# Altium PCB PCB main.PcbDoc (part 2 of 2)
Units mm, origin at the board's own origin, x right, y up, seen from the top; angles counter-clockwise.
Board outline 160 x 160 mm, 2 copper layers (Top Layer, Bottom Layer); 108 components, 108 nets, 489 pads, 66 vias.
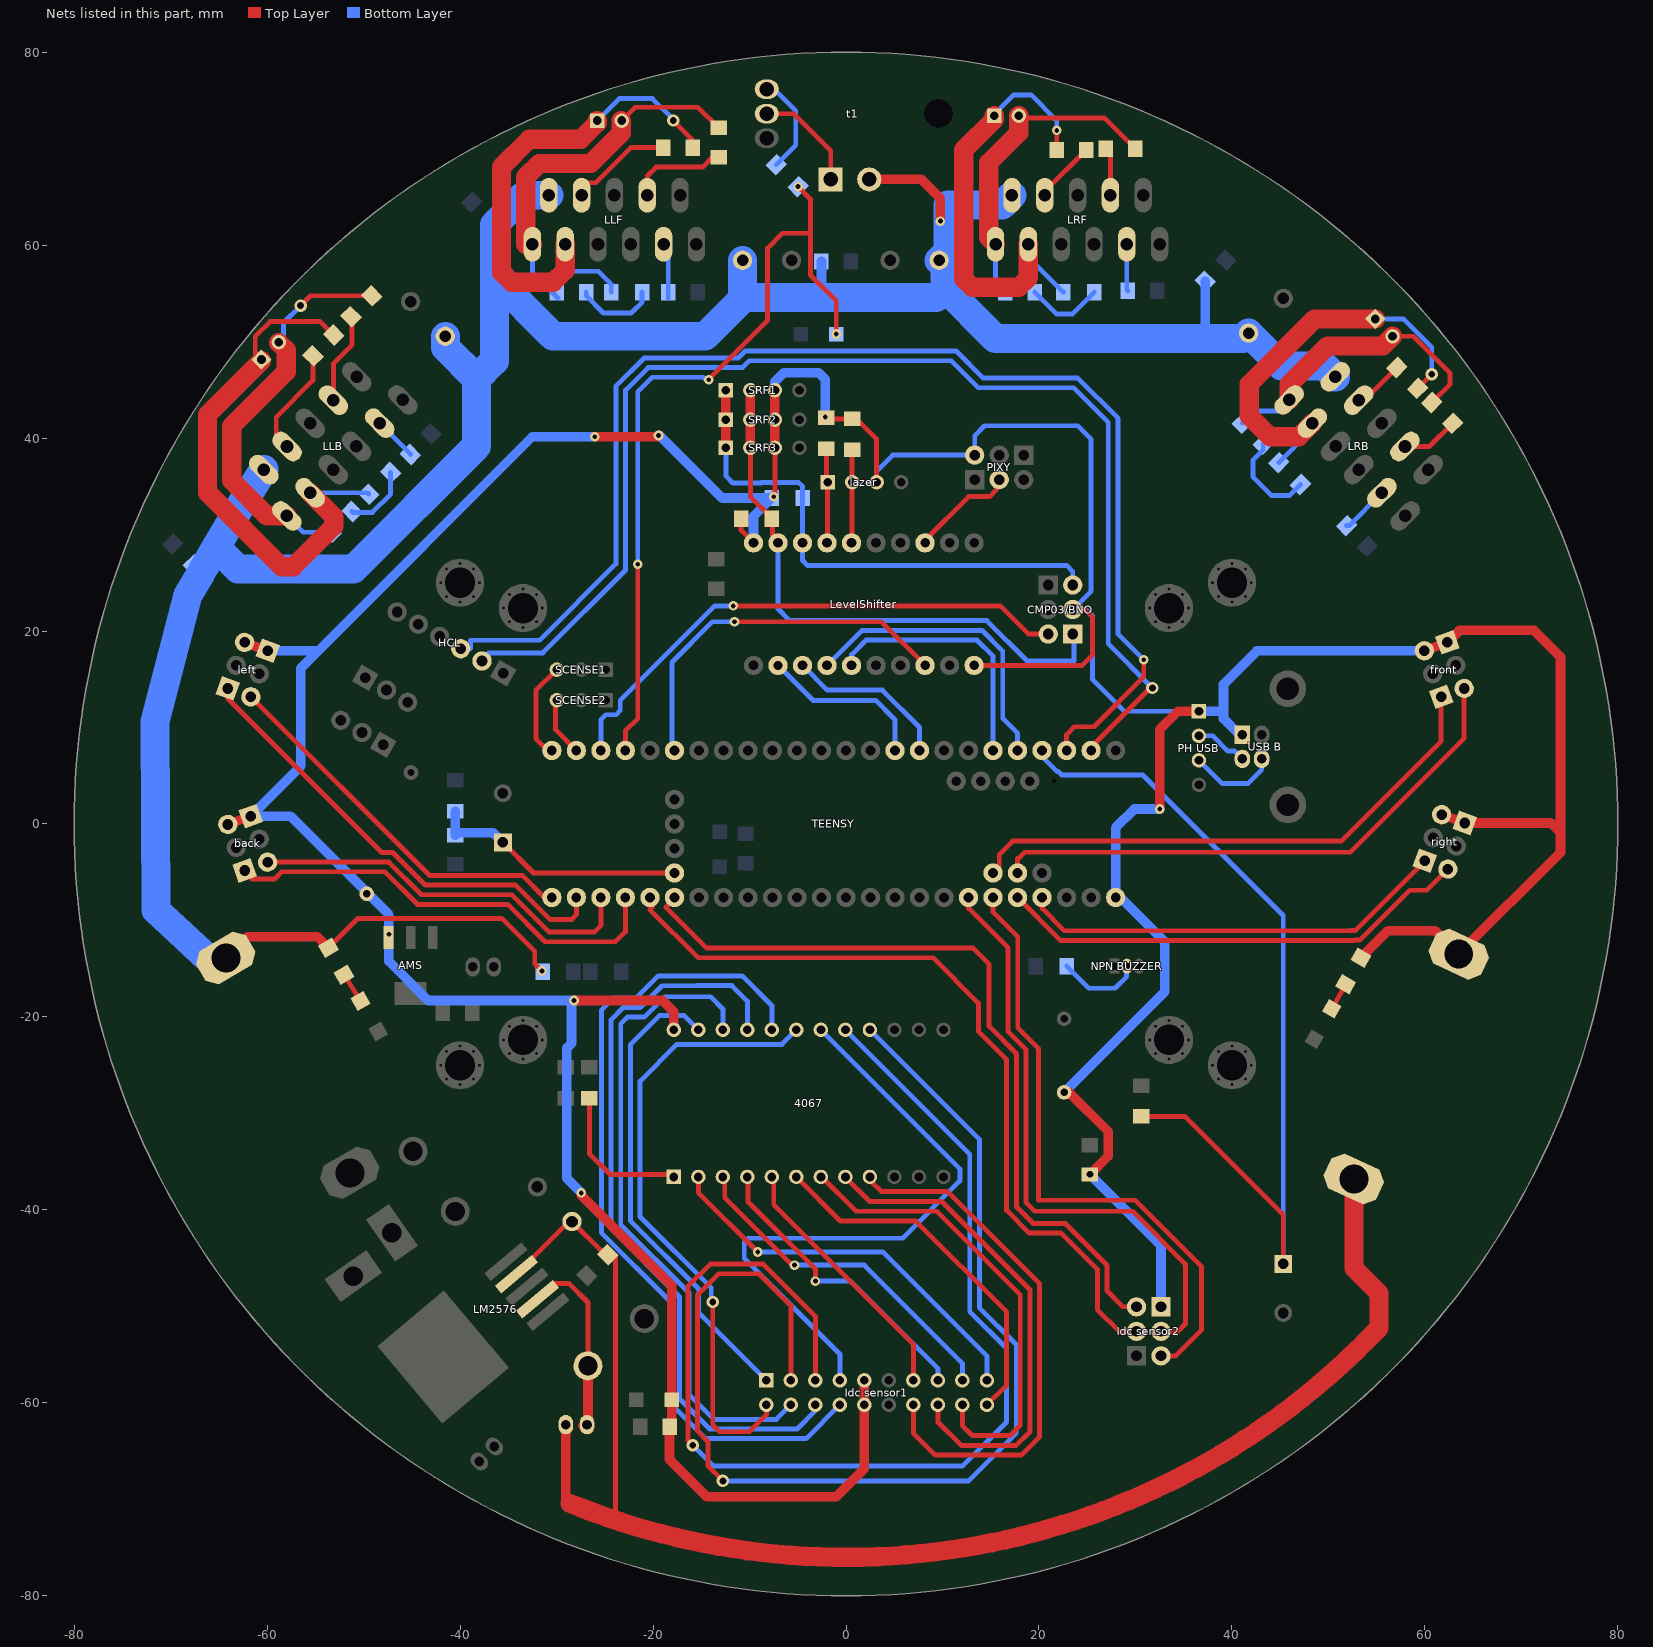
[diagram p2: the nets of this part, all layers, seen from the top]

## Via types
v1: diameter 1, hole 0.5, Top Layer to Bottom Layer, 55 vias
v2: diameter 1.27, hole 0.711, Top Layer to Bottom Layer, 11 vias

## Nets (pads, with @x,y where several pads share a name; then routed paths per layer and width w, separated by ;. In a path a pad name is that pad's centre, name@x,y a point inside that pad or via, vN(x,y) a via of type N, cw(c..) or ccw(c..) an arc to the next point about the centre after c; other vN are vias at no path point) (continued)
Netcap2_2: cap2.2 LLB.9 | length 4.6
  Bottom Layer w0.5: LLB.9@-48.328,41.541 -45.147,38.36 cap2.2@-45.147,38.292
  Bottom Layer w1: LLB.9@-48.328,41.473 LLB.9@-48.328,41.541
Netcap3_2: cap3.2 LLF.9 | length 5.8
  Bottom Layer w0.5: LLF.9@-18.9,60.079 -18.415,59.594 cap3.2@-18.415,54.465
Netcap4_2: cap4.2 LRF.9 | length 4.9
  Bottom Layer w0.5: LRF.9@29.1,60.079 29.1,55.358 cap4.2@29.213,55.245
Netcap5_2: cap5.2 LRB.9 | length 5.1
  Bottom Layer w0.5: cap5.2@51.881,30.923 52.136,30.923 LRB.9@55.541,34.328
Netcap15_1: cap15.1 LLB.4 | length 11.4
  Top Layer w0.5: LLB.4@-57.931,39.122 -59.055,40.247 -59.055,42.164 -55.243,45.976 cap15.1@-55.243,48.516
Netcap15_2: cap15.2 LLB.3 PLB.1 RES5.2 | length 57.1
  Top Layer w0.5: PLB.1@-60.579,48.006 -61.214,48.641 -61.214,50.546 -59.69,52.07 -54.483,52.07 cap15.2@-53.086,50.673
  Top Layer w2: PLB.1@-60.579,48.006 -66.167,42.418 -66.167,34.343 -58.494,26.67 -57.277,26.67 -53.086,30.861 -53.086,31.874 LLB.3@-55.541,34.328
  Bottom Layer w0.5: LLB.3@-55.387,34.175 LLB.3@-55.541,34.328 -49.613,34.328 RES5.2@-49.46,34.175 RES5.2@-49.46,34.266
Netcap16_1: cap16.1 LLB.8 | length 9.5
  Top Layer w0.5: LLB.8@-53.122,43.931 -53.122,47.716 -51.205,49.633 -51.205,52.479 cap16.1@-51.306,52.58
Netcap16_2: cap16.2 cap25.1 LLB.1 PLB.2 | length 42
  Top Layer w0.5: v2(-56.515,53.721) -55.499,54.737 cap16.2@-49.149,54.737
  Top Layer w2: PLB.2@-58.783,49.872 -58.018,49.108 -58.018,46.884 -63.667,41.235 -63.667,35.6 -59.991,31.924 LLB.1@-57.945,31.924
  Bottom Layer w0.5: PLB.2@-58.783,49.929 -58.293,50.419 -58.293,51.943 v2(-56.515,53.721) ; LLB.1@-57.945,31.924 -56.249,30.228 cap25.1@-53.338,30.228
Netcap17_1: cap17.1 LLF.4 | length 11.1
  Top Layer w0.5: LLF.4@-27.4,65.159 -27.051,65.508 -27.051,66.449 -25.943,66.449 -22.288,70.104 cap17.1@-18.925,70.104
Netcap17_2: cap17.2 LLF.3 PLF.1 RES6.2 | length 55.4
  Top Layer w0.5: v2(-17.907,72.898) -15.875,70.866 cap17.2@-15.875,70.104
  Top Layer w2: LLF.3@-29.1,60.079 -29.1,57.387 -30.353,56.134 -34.639,56.134 -35.7,57.195 -35.7,68.089 -32.83,70.959 -27.498,70.959 -25.781,72.676 PLF.1@-25.781,72.898
  Bottom Layer w0.5: LLF.3@-29.1,60.079 -29.1,57.675 -28.702,57.277 -25.654,57.277 -24.333,55.956 RES6.2@-24.333,55.118 ; PLF.1@-25.781,72.898 -23.495,75.184 -20.066,75.184 -17.907,73.025 v2(-17.907,72.898)
Netcap18_1: cap18.1 LLF.8 | length 10.2
  Top Layer w0.5: LLF.8@-20.6,65.159 -20.6,67.157 -19.685,68.072 -14.859,68.072 -13.843,69.088 cap18.1@-13.208,69.088
Netcap18_2: cap18.2 cap26.1 LLF.1 PLF.2 | length 39
  Top Layer w0.5: PLF.2@-23.281,72.898 PLF.2@-23.241,72.898 -21.856,74.283 -15.353,74.283 cap18.2@-13.208,72.138
  Top Layer w2: LLF.1@-32.5,60.079 -33.2,60.079 -33.2,67.053 -31.794,68.459 -26.462,68.459 -23.281,71.64 PLF.2@-23.281,72.898
  Bottom Layer w0.5: LLF.1@-32.5,60.079 -32.5,57.137 cap26.1@-29.846,54.483
Netcap19_1: cap19.1 LRF.4 | length 6.5
  Top Layer w0.5: LRF.4@20.6,65.159 20.6,65.558 cap19.1@24.892,69.85
Netcap19_2: cap19.2 LRF.3 PRF.1 RES7.2 | length 47.5
  Top Layer w0.5: cap19.2@21.842,69.85 21.526,70.166 21.842,70.481 v1(21.842,71.882)
  Top Layer w2: PRF.1@15.367,73.406 15.367,73.025 12.192,69.85 12.192,56.521 13.087,55.626 17.907,55.626 18.9,56.619 LRF.3@18.9,60.079
  Bottom Layer w0.5: PRF.1@15.367,73.406 15.367,73.533 17.399,75.565 19.177,75.565 21.842,72.9 v1(21.842,71.882) ; LRF.3@18.9,60.079 18.9,58.748 RES7.2@22.53,55.118
Netcap20_1: cap20.1 LRF.8 | length 5
  Top Layer w0.5: cap20.1@26.923,69.977 27.4,69.5 LRF.8@27.4,65.159
Netcap20_2: cap20.2 cap27.1 LRF.1 PRF.2 | length 33.8
  Top Layer w0.5: PRF.2@17.907,73.406 18.161,73.152 26.798,73.152 cap20.2@29.973,69.977
  Top Layer w2: LRF.1@15.5,60.079 14.8,60.779 14.8,68.521 17.907,71.628 PRF.2@17.907,73.406
  Bottom Layer w0.5: LRF.1@15.5,60.079 15.5,56.126 cap27.1@16.508,55.118
Netcap21_1: cap21.1 LRB.4 | length 5.4
  Top Layer w0.5: LRB.4@53.122,43.931 53.712,43.931 cap21.1@57.088,47.306
Netcap21_2: cap21.2 LRB.3 PRB.1 RES8.2 | length 43.7
  Top Layer w0.5: 59.88,45.783 v2(60.706,46.609)
  Top Layer w2: LRB.3@48.328,41.541 46.919,40.132 43.938,40.132 41.783,42.287 41.783,45.573 48.552,52.342 PRB.1@54.846,52.342
  Bottom Layer w0.5: RES8.2@44.843,37.453 48.328,40.939 LRB.3@48.328,41.541 ; PRB.1@54.846,52.342 57.767,52.342 60.706,49.403 v2(60.706,46.609)
Netcap22_1: cap22.1 LRB.8 | length 5.9
  Top Layer w0.5: LRB.8@57.931,39.122 60.461,39.122 cap22.1@62.865,41.527
Netcap22_2: cap22.2 cap28.1 LRB.1 PRB.2 | length 31.6
  Top Layer w0.5: PRB.2@56.642,50.546 58.784,50.546 62.611,46.719 62.611,45.586 cap22.2@60.708,43.683
  Top Layer w2: LRB.1@45.924,43.945 45.924,45.543 49.911,49.53 55.626,49.53 PRB.2@56.642,50.546
  Bottom Layer w0.5: cap28.1@41.086,41.527 42.358,42.799 44.778,42.799 LRB.1@45.924,43.945
Netcap23_1: "Key VCC.1" "Self reg.2" cap23.1 cap24.2 LM2576.4 | length 161.9
  Top Layer w0.5: LM2576.4@-34.155,-46.651 -28.78,-41.275 cap23.1@-28.394,-41.275 ; -29.04,-62.249 -28.575,-62.714 -28.514,-62.714 ; cap23.1@-28.394,-41.202 -25.076,-44.52 cap24.2@-24.695,-44.52 ; -25.315,-72.322 -24.824,-71.832 ; cap24.2@-24.695,-44.921 -24.395,-45.221 -23.876,-44.701 -23.876,-72.009
  Top Layer w1: -29.04,-70.485 -29.04,-62.249 ; 54.102,-54.091 55.372,-52.821
  Top Layer w2: -28.601,-70.413 ccw(c0,0) -24.824,-71.832 ccw(c0,0) 54.102,-53.376 ; 52.639,-36.785 52.639,-46.035 55.245,-48.641 55.245,-52.233 54.102,-53.376 ; 54.985,-52.465 cw(c0,0) 54.102,-53.376
Netcap25_2: cap25.2 RES5.1 | length 7.1
  Bottom Layer w0.5: cap25.2@-51.181,32.385 -51.089,32.293 -49.078,32.293 -47.197,34.175 RES5.1@-47.197,36.437
Netcap26_2: cap26.2 RES6.1 | length 8.4
  Bottom Layer w0.5: cap26.2@-26.924,55.118 -26.924,54.737 -25.146,52.959 -22.261,52.959 -21.133,54.087 RES6.1@-21.133,55.118
Netcap27_2: cap27.2 RES7.1 | length 8.1
  Bottom Layer w0.5: cap27.2@19.558,55.118 21.826,52.85 23.462,52.85 RES7.1@25.73,55.118
Netcap28_2: cap28.2 RES8.1 | length 10.1
  Bottom Layer w0.5: cap28.2@43.242,39.37 43.242,38.797 42.164,37.719 42.164,35.979 44.107,34.036 45.951,34.036 RES8.1@47.105,35.191
NetDiode1_2: "Diode2 reg.2" "Self reg.1" LM2576.2 | length 19.7
  Top Layer w0.5: LM2576.2@-31.97,-49.255 -30.34,-47.625 -28.702,-47.625 -26.739,-49.588 -26.739,-56.157
  Top Layer w1: -27.264,-62.357 -26.739,-61.832 -26.739,-56.157
"NetLED VCC_1": "LED VCC.1" "RES LED VCC.2" | length 2.9
  Top Layer w0.5: 50.36,-19.128 51.778,-16.626
"NetLED VSS_1": "LED VSS.1" "RES LED VSS.2" | length 3.2
  Top Layer w0.5: -52.032,-15.61 -50.317,-18.34
"NetNPN BUZZER_2": "NPN BUZZER.2" "RES BUZZER.2" | length 8.7
  Bottom Layer w0.5: 22.885,-14.732 25.171,-17.018 27.88,-17.018 29.08,-15.818 29.08,-14.752 29.1,-14.732
"NetPH USB_2": "PH USB.2" "USB B.2" | length 5.5
  Bottom Layer w0.5: 36.576,9.144 37.99,9.144 39.583,7.551 40.279,7.551 41.079,6.751
"NetPH USB_3": "PH USB.3" "USB B.3" | length 9.2
  Bottom Layer w0.5: 36.576,6.604 38.989,4.191 41.656,4.191 43.079,5.614 43.079,6.751
"NetRES SHOOT_2": "RES SHOOT.2" t1.1 | length 10.4
  Bottom Layer w0.5: t1.1@-8.214,76.152 -7.445,76.152 -5.207,73.914 -5.207,70.335 -7.227,68.314
Netselon_1: selon.1 t1.2 | length 11.2
  Top Layer w0.5: t1.2@-8.214,73.612 -5.413,73.612 -1.587,69.786 selon.1@-1.587,66.802
OUTBA: back.5 TEENSY.35/A16 | length 40.7
  Top Layer w0.5: back.5@-59.938,-3.952 -47.372,-3.952 -43.991,-7.334 -34.655,-7.334 -30.813,-11.176 -26.035,-11.176 -25.4,-10.541 TEENSY.35/A16@-25.4,-7.62
OUTBB: back.6 TEENSY.36/A17 | length 47.6
  Top Layer w0.5: back.6@-62.325,-4.821 -61.544,-4.821 -61.544,-5.702 -59.213,-5.702 -58.463,-4.952 -47.787,-4.952 -44.405,-8.334 -35.069,-8.334 -31.195,-12.208 -23.892,-12.208 -22.86,-11.176 TEENSY.36/A17@-22.86,-7.62
OUTFA: front.5 TEENSY.A10 | length 58.1
  Top Layer w0.5: TEENSY.A10@17.78,-5.08 17.78,-3.556 17.919,-3.556 18.542,-2.933 ; 18.542,-2.921 52.248,-2.921 64.062,8.894 front.5@64.062,14.048
OUTFB: front.6 TEENSY.A11 | length 56.5
  Top Layer w0.5: TEENSY.A11@15.875,-4.445 15.875,-3.175 17.272,-1.778 51.308,-1.778 61.675,8.589 front.6@61.675,13.179
OUTLA: left.5 TEENSY.33/A14 | length 39.8
  Top Layer w0.5: left.5@-61.675,13.179 -43.163,-5.334 -33.545,-5.334 -31.259,-7.62 TEENSY.33/A14@-30.48,-7.62
OUTLB: left.6 TEENSY.34/A15 | length 48.7
  Top Layer w0.5: left.6@-64.062,14.048 -64.062,13.008 -48.102,-2.952 -46.958,-2.952 -43.577,-6.334 -34.241,-6.334 -30.669,-9.906 -28.448,-9.906 -27.94,-9.398 TEENSY.34/A15@-27.94,-7.62 TEENSY.34/A15@-27.94,-7.555
OUTMULTI: 4067.1 RES13.1 | length 15.5
  Top Layer w0.5: RES13.1@-26.598,-28.426 -26.598,-34.178 -24.454,-36.322 -18.094,-36.322 4067.1@-17.84,-36.576
OUTRA: right.5 TEENSY.22/A8 | length 49.5
  Top Layer w0.5: TEENSY.22/A8@17.78,-7.62 22.225,-12.065 52.671,-12.065 52.706,-12.03 53.248,-12.03 58.42,-6.858 60.192,-6.858 right.5@62.377,-4.673
OUTRB: right.6 TEENSY.23/A9 | length 44.8
  Top Layer w0.5: TEENSY.23/A9@20.32,-7.62 20.32,-8.746 22.639,-11.065 52.257,-11.065 52.292,-11.03 52.834,-11.03 59.99,-3.873 right.6@59.99,-3.804
RESET: "cap RESET.2" "RES RESET.1" RESET.1 TEENSY.RESET | length 26.9
  Top Layer w0.5: RESET.1@-35.56,-1.905 -32.385,-5.08 TEENSY.RESET@-17.78,-5.08
  Bottom Layer w1: -40.513,-0.889 -40.495,-0.889 ; -40.513,1.321 -40.495,1.303 -40.495,-0.889 ; -40.495,-1.142 -40.495,-0.889 ; RESET.1@-35.56,-1.905 -36.576,-0.889 -40.495,-0.889
"RESET BNO": CMP03/BNO.2 TEENSY.30 | length 56.5
  Top Layer w0.5: v1(-11.684,22.606) 16.002,22.606 18.923,19.685 CMP03/BNO.2@20.955,19.685
  Bottom Layer w0.5: TEENSY.30@-25.4,7.62 -25.4,10.812 -24.885,11.327 -23.831,11.327 -23.392,11.766 -23.392,12.82 -13.606,22.606 v1(-11.684,22.606) v1@-11.43,22.606
RX: HCL.2 TEENSY.0/RX | length 130.5
  Top Layer w0.5: TEENSY.0/RX@25.4,7.62 25.4,7.981 31.516,14.097 v2(31.75,14.097)
  Bottom Layer w0.5: HCL.2@-37.719,16.891 -37.042,16.891 -37.042,17.737 -31.412,17.737 -22.824,26.325 -22.824,26.39 -22.84,26.406 -22.84,44.962 -20.506,47.296 -10.743,47.296 -10.033,48.006 10.922,48.006 13.716,45.212 23.605,45.212 27.178,41.639 27.178,18.669 v2(31.75,14.097)
S0: 4067.9 "Idc sensor1.14" | length 56.1
  Top Layer w0.5: 4067.9@2.637,-36.419 2.637,-37.054 3.683,-38.1 10.541,-38.1 20.066,-47.625 20.066,-63.5 18.161,-65.405 9.271,-65.405 6.985,-63.119 6.985,-60.198
S1: 4067.8 "Idc sensor1.16" | length 51.6
  Top Layer w0.5: 4067.8@-0.064,-36.595 2.464,-39.122 9.912,-39.122 19.066,-48.276 19.066,-62.976 17.637,-64.405 11.954,-64.405 9.525,-61.976 9.525,-60.198
S2: 4067.7 "Idc sensor1.18" | length 48.2
  Top Layer w0.5: 4067.7@-2.553,-36.529 1.05,-40.132 9.398,-40.132 18.066,-48.8 18.066,-62.323 17.016,-63.373 13.081,-63.373 12.065,-62.357 12.065,-60.198
S3: 4067.6 "Idc sensor1.20" | length 38.1
  Top Layer w0.5: 4067.6@-5.14,-36.576 -0.568,-41.148 7.239,-41.148 16.637,-50.546 16.637,-58.166 14.605,-60.198
S4: 4067.5 "Idc sensor1.13" | length 27.4
  Top Layer w0.5: 4067.5@-7.696,-36.322 -7.493,-36.525 -7.493,-39.45 6.985,-53.928 6.985,-57.658
S5: 4067.4 "Idc sensor1.15" | length 31.6
  Top Layer w0.5: 4067.4@-10.16,-36.322 -10.16,-39.122 -3.175,-46.107 v1(-3.175,-47.371)
  Bottom Layer w0.5: v1(-3.175,-47.371) 0.492,-47.371 9.525,-56.404 9.525,-57.658
S6: 4067.3 "Idc sensor1.17" | length 35.9
  Top Layer w0.5: 4067.3@-12.573,-36.322 -12.563,-36.332 -12.563,-38.735 -5.582,-45.716 v1(-5.334,-45.716)
  Bottom Layer w0.5: v1(-5.334,-45.716) 1.901,-45.716 12.065,-55.88 12.065,-57.658
S7: 4067.2 "Idc sensor1.19" | length 41.1
  Top Layer w0.5: 4067.2@-15.3,-36.576 -15.3,-38.197 v1(-9.144,-44.353)
  Bottom Layer w0.5: v1(-9.144,-44.353) 3.78,-44.353 3.81,-44.323 14.605,-55.118 14.605,-57.658
S8: 4067.23 "Idc sensor1.1" | length 49.6
  Bottom Layer w0.5: 4067.23@-15.3,-21.336 -16.8,-19.836 -19.31,-19.836 -22.348,-22.874 -22.348,-26.987 -22.349,-26.988 -22.349,-41.099 -15.258,-48.19 -15.258,-50.655 -8.255,-57.658
S9: 4067.22 "Idc sensor1.4" | length 68
  Bottom Layer w0.5: 4067.22@-12.76,-21.336 -12.76,-19.171 -14.024,-17.907 -18.795,-17.907 -20.906,-20.018 -22.668,-20.018 -23.348,-20.698 -23.348,-26.573 -23.349,-26.574 -23.349,-41.514 -16.258,-48.605 -16.258,-59.146 -13.706,-61.698 -7.215,-61.698 -5.715,-60.198
S10: 4067.21 "Idc sensor1.6" | length 78.2
  Bottom Layer w0.5: 4067.21@-10.22,-21.336 -10.22,-18.355 -11.827,-16.748 -15.478,-16.748 -15.494,-16.764 -19.067,-16.764 -21.321,-19.018 -23.082,-19.018 -24.349,-20.285 -24.349,-24.293 ; -3.175,-60.198 -3.175,-60.799 -5.074,-62.698 -14.12,-62.698 -17.258,-59.56 -17.258,-49.019 -24.349,-41.928 -24.349,-26.159 -24.348,-26.158 -24.348,-24.294 ; -24.349,-24.293 -24.348,-24.294
S11: 4067.20 "Idc sensor1.8" | length 87.2
  Bottom Layer w0.5: 4067.20@-7.68,-21.336 -7.68,-18.812 -10.744,-15.748 -19.465,-15.748 -21.735,-18.018 -24.074,-18.018 -25.349,-19.293 -25.349,-24.708 -25.348,-24.709 -25.348,-25.744 -25.349,-25.745 -25.349,-42.342 -18.258,-49.433 -18.258,-59.974 -14.534,-63.698 -4.135,-63.698 -0.635,-60.198
S12: 4067.19 "Idc sensor1.2" | length 64.9
  Top Layer w0.5: v2(-13.813,-49.53) -13.813,-62.283 -13.104,-62.992 -10.033,-62.992 -8.255,-61.214 -8.255,-60.198
  Bottom Layer w0.5: v2(-13.813,-49.53) -13.97,-49.53 -13.97,-48.064 -21.349,-40.685 -21.349,-27.402 -21.348,-27.401 -21.348,-26.639 -21.329,-26.639 -17.526,-22.836 -6.64,-22.836 4067.19@-5.14,-21.336
S13: 4067.18 "Idc sensor1.7" | length 65
  Bottom Layer w0.5: 4067.18@-2.6,-21.336 11.811,-35.747 11.811,-36.986 5.871,-42.926 -10.147,-42.926 -10.541,-43.32 -10.541,-45.018 -0.635,-54.924 -0.635,-57.658
S14: 4067.17 "Idc sensor1.5" | length 122.6
  Top Layer w0.5: v2(-15.875,-64.389) -16.383,-63.881 -16.383,-47.918 -14.068,-45.603 -8.626,-45.603 -8.616,-45.593 -3.175,-51.034 -3.175,-57.658
  Bottom Layer w0.5: v2(-15.875,-64.389) -13.716,-66.548 12.065,-66.548 16.637,-61.976 16.637,-54.356 12.827,-50.546 12.827,-34.223 4067.17@-0.06,-21.336
S15: 4067.16 "Idc sensor1.3" | length 120.9
  Top Layer w0.5: v2(-12.76,-68.072) -14.309,-66.523 -14.309,-63.997 -15.383,-62.922 -15.383,-48.801 -13.191,-46.609 -9.017,-46.609 -5.715,-49.911 -5.715,-57.658
  Bottom Layer w0.5: v2@-13.081,-68.072 v2(-12.76,-68.072) 12.7,-68.072 17.637,-63.135 17.637,-53.942 13.827,-50.132 13.827,-32.683 4067.16@2.48,-21.336
S16: "Idc sensor2.2" TEENSY.21/A7 | length 64.9
  Top Layer w0.5: TEENSY.21/A7@15.24,-7.62 15.24,-9.128 17.603,-11.491 17.796,-11.684 17.796,-21.115 19.939,-23.258 19.939,-38.989 29.972,-38.989 36.83,-45.847 36.83,-52.451 34.163,-55.118 32.647,-55.118
S17: "Idc sensor2.4" TEENSY.20/A6 | length 62.3
  Top Layer w0.5: TEENSY.20/A6@12.7,-7.62 12.7,-8.746 16.796,-12.842 16.796,-21.529 18.669,-23.402 18.669,-39.243 19.558,-40.132 29.701,-40.132 35.179,-45.61 35.179,-51.816 34.417,-52.578 32.647,-52.578
S18: "Idc sensor2.5" TEENSY.38/A19 | length 82.3
  Top Layer w0.5: TEENSY.38/A19@-17.399,-7.366 -18.669,-8.636 -14.442,-12.863 13.168,-12.863 14.83,-14.525 14.83,-20.977 17.669,-23.817 17.669,-39.657 19.414,-41.402 22.708,-41.402 27.051,-45.745 27.051,-48.387 28.702,-50.038 30.107,-50.038
S19: "Idc sensor2.3" TEENSY.37/A18 | length 83.3
  Top Layer w0.5: TEENSY.37/A18@-20.32,-7.62 -20.066,-7.874 -20.066,-8.619 -20.32,-8.873 -15.33,-13.863 9.02,-13.863 13.716,-18.559 13.716,-21.488 16.637,-24.409 16.637,-40.039 19,-42.402 22.293,-42.402 26.051,-46.16 26.051,-50.325 28.304,-52.578 30.107,-52.578
Scense1: SCENSE1.3 TEENSY.32/A13 | length 10.2
  Top Layer w0.5: TEENSY.32/A13@-30.48,7.62 -30.903,7.62 -32.131,8.848 -32.131,13.843 SCENSE1.3@-29.972,16.002
Scense2: SCENSE2.3 TEENSY.31/A12 | length 6
  Top Layer w0.5: SCENSE2.3@-30.099,12.7 -30.099,9.779 TEENSY.31/A12@-27.94,7.62
"SCK p": LevelShifter.B7 PIXY.3 | length 11
  Top Layer w0.5: LevelShifter.B7@8.195,29.134 8.195,29.432 12.7,33.937 14.887,33.937 15.621,34.671 15.621,35.433 PIXY.3@15.875,35.687
"SCK pixy": LevelShifter.A7 TEENSY.27 | length 39.1
  Top Layer w0.5: v1(-11.557,20.956) 3.674,20.956 LevelShifter.A7@8.195,16.434
  Bottom Layer w0.5: TEENSY.27@-17.78,7.62 -18.034,7.874 -18.034,16.764 -13.842,20.956 v1(-11.557,20.956)
SCL: "RES2 LEVEL.1" CMP03/BNO.5 LevelShifter.B2 SRF1.1 SRF2.1 SRF3.1 | length 54.9
  Top Layer w1: SRF3.1@-12.446,38.989 SRF2.1@-12.446,41.91 SRF1.1@-12.446,44.958
  Bottom Layer w0.5: SRF3.1@-12.446,38.989 -12.446,36.068 -11.719,35.341 -8.798,35.341 -8.757,35.382 -4.902,35.382 -4.505,34.985 LevelShifter.B2@-4.505,29.134 -4.505,27.305 -3.997,26.797 22.86,26.797 23.495,26.162 CMP03/BNO.5@23.495,24.765
"SCL L": lazer.1 LevelShifter.B3 RES?.1@-2.032,38.913 | length 9.9
  Top Layer w0.5: RES?.1@-2.032,38.913 -2.032,35.306 -1.905,35.179 -1.905,29.194 LevelShifter.B3@-1.965,29.134
"SCL lazer": LevelShifter.A3 TEENSY.3/CANTX | length 31.5
  Bottom Layer w0.5: LevelShifter.A3@-1.965,16.434 1.667,20.066 14.097,20.066 16.24,17.923 16.24,10.938 17.78,9.398 TEENSY.3/CANTX@17.78,7.62
SCLTEENSY: LevelShifter.A2 TEENSY.7 | length 17.2
  Bottom Layer w0.5: LevelShifter.A2@-4.505,16.434 -1.954,13.884 3.769,13.884 7.62,10.033 TEENSY.7@7.62,7.62
SDA: "RES1 LEVEL.1" CMP03/BNO.1 LevelShifter.B1 SRF1.2 SRF2.2 SRF3.2 | length 59.6
  Top Layer w0.5: SRF3.2@-9.906,38.989 -9.906,33.909 -7.62,31.623 -7.62,29.709 LevelShifter.B1@-7.045,29.134
  Top Layer w1: SRF3.2@-9.906,38.989 SRF2.2@-9.906,41.91 SRF1.2@-9.906,44.958
  Bottom Layer w0.5: LevelShifter.B1@-7.045,29.134 -7.045,22.285 -5.842,21.082 14.605,21.082 18.796,16.891 23.622,16.891 23.622,19.558 CMP03/BNO.1@23.495,19.685
"SDA L": lazer.2 LevelShifter.B4 RES?.1@0.635,38.786 | length 9.7
  Top Layer w0.5: LevelShifter.B4@0.575,29.134 0.635,29.194 lazer.2@0.635,35.433 RES?.1@0.635,38.786
"SDA lazer": LevelShifter.A4 TEENSY.4/CANRX | length 26.9
  Bottom Layer w0.5: LevelShifter.A4@0.575,16.434 0.575,17.56 2.081,19.066 13.573,19.066 15.24,17.399 TEENSY.4/CANRX@15.24,7.62
SDATEENSY: LevelShifter.A1 TEENSY.8 | length 17.6
  Bottom Layer w0.5: LevelShifter.A1@-7.045,16.434 -3.422,12.811 3.064,12.811 5.08,10.795 TEENSY.8@5.08,7.62
SET: "RES SET.1" SET.1 TEENSY.2 | length 92.6
  Top Layer w0.5: 30.607,-30.302 35.128,-30.302 45.321,-40.495 SET.1@45.321,-45.593
  Bottom Layer w0.5: TEENSY.2@20.32,7.62 20.32,6.985 21.86,5.445 22.004,5.445 22.369,5.08 30.756,5.08 45.321,-9.485 SET.1@45.321,-45.593
SHOOT: "RES SHOOT.1" "zener shoot.2" TEENSY.29 | length 84
  Top Layer w0.5: TEENSY.29@-22.86,7.62 -22.86,9.652 -21.59,10.922 v1(-21.59,26.924) ; v1(-14.224,46.038) -14.224,46.101 -8.128,52.197 -8.128,59.69 -6.604,61.214 -3.683,61.214 ; v1(-4.965,66.052) -3.683,64.77 -3.683,61.214 ; v1(-1.016,50.775) -1.016,54.229 -3.683,56.897 -3.683,61.214
  Bottom Layer w0.5: v1(-21.59,26.924) -21.59,44.798 -20.092,46.296 -14.8,46.296 -14.541,46.038 v1(-14.224,46.038)
TX: HCL.3 TEENSY.1/TX | length 135.4
  Top Layer w0.5: TEENSY.1/TX@22.86,7.62 22.86,9.271 23.67,10.081 25.702,10.081 30.861,15.24 v1(30.861,17.018)
  Bottom Layer w0.5: HCL.3@-39.919,18.161 -38.924,18.161 -38.924,19.05 -31.75,19.05 -23.84,26.96 -23.84,45.376 -20.92,48.296 -11.157,48.296 -10.431,49.022 11.43,49.022 14.24,46.212 24.019,46.212 28.194,42.037 28.194,19.685 v1(30.861,17.018) ; TEENSY.1/TX@22.86,7.62 TEENSY.1/TX@22.86,7.874
VCC: 4067.24 "Idc sensor1.9" "Idc sensor1.10" "Idc sensor2.6" "Key VCC.2" "PH USB.1" "RES1 LEVEL.2" "RES2 LEVEL.2" "RES LED VCC.1" "USB B.1" "zener reg.2" AMS.3 back.1 back.2 Buzzer1.1 cap33.2 cap34.1 CMP03/BNO.3 front.1 front.2 lazer.3 left.1 left.2 LevelShifter.OE LevelShifter.vB pad.3 PIXY.2 RES?.2 right.1 right.2 SRF1.3 SRF2.3 SRF3.3 TEENSY.VIN | length 545.8
  Top Layer w0.5: -10.871,31.623 -10.871,30.42 LevelShifter.vB@-9.585,29.134 ; v1@-7.446,34.261 -7.366,34.341 SRF3.3@-7.366,38.989 ; RES?.2@-2.032,42.113 -1.905,41.986 RES?.2@0.635,41.986 1.067,41.986 3.175,39.878 lazer.3@3.175,35.433 ; LevelShifter.OE@13.275,16.434 24.467,16.434 25.559,17.526 25.559,21.431 24.765,22.225 CMP03/BNO.3@23.495,22.225
  Top Layer w1: back.2@-64.062,-0.048 back.1@-61.675,0.821 ; left.2@-62.325,18.821 left.1@-59.938,17.952 ; v1(-28.194,-18.288) -19.014,-18.288 -17.84,-19.462 4067.24@-17.84,-21.336 ; v1@-27.408,-38.489 -18.067,-47.83 -18.067,-59.69 -18.067,-62.264 cap33.2@-18.287,-62.484 -18.287,-65.843 -14.407,-69.723 -1.016,-69.723 1.905,-66.802 1.905,-60.198 1.905,-57.658 ; v1(-26.035,40.132) -19.558,40.132 v1(-19.431,40.259) ; SRF3.3@-7.366,38.989 SRF2.3@-7.366,41.91 SRF1.3@-7.366,44.958 ; Buzzer1.1@22.606,-27.813 23.114,-27.813 27.178,-31.877 27.178,-34.418 cap34.1@25.273,-36.323 ; v1(32.512,1.557) 32.512,9.779 34.417,11.684 36.576,11.684 ; 53.378,-13.854 56.183,-11.049 61.056,-11.049 63.5,-13.493 74.041,-2.953 74.041,-0.889 ; front.2@59.938,17.952 front.1@62.325,18.821 63.569,20.066 71.297,20.066 74.041,17.322 74.041,-0.889 ; right.2@61.728,0.97 right.1@64.115,0.101 73.051,0.101 74.041,-0.889
  Bottom Layer w0.5: lazer.3@3.175,35.433 3.175,36.576 4.826,38.227 PIXY.2@13.335,38.227 13.335,40.259 14.351,41.275 24.003,41.275 25.4,39.878 25.4,24.13 CMP03/BNO.3@23.495,22.225 24.892,22.225 25.559,21.558 25.559,14.954 28.829,11.684 36.576,11.684
  Bottom Layer w1: back.2@-64.437,-0.048 back.2@-64.062,-0.048 ; left.1@-59.938,17.952 -54.694,17.952 ; -27.686,-18.288 v1(-28.194,-18.288) v1@-28.448,-18.288 ; v1(-27.432,-38.227) -28.93,-36.729 -28.93,-23.215 -28.448,-22.733 v1@-28.448,-18.288 ; v1(-26.035,40.132) -32.514,40.132 -54.694,17.952 ; v1(-19.431,40.259) -19.304,40.259 -12.827,33.782 -7.696,33.782 -9.585,31.893 LevelShifter.vB@-9.585,29.134 ; SRF1.3@-7.366,44.958 -7.366,45.847 -6.457,46.756 -2.814,46.756 -2.159,46.101 v1(-2.159,42.164) ; Buzzer1.1@22.606,-27.813 33.02,-17.399 33.02,-12.192 28.448,-7.62 TEENSY.VIN@27.94,-7.62 27.94,-0.381 29.878,1.557 v1(32.512,1.557) ; v2(25.273,-36.292) 25.273,-36.323 32.647,-43.697 32.647,-50.038 ; 36.576,11.684 39.116,11.684 ; 41.079,9.251 40.787,9.251 39.116,10.922 39.116,11.684 ; front.2@59.938,17.952 42.597,17.952 39.116,14.471 39.116,11.684 ; -54.694,17.952 -56.515,16.131 -56.515,5.982 back.1@-61.675,0.821 -57.59,0.821 -47.371,-9.398 v1(-47.371,-11.43) -47.371,-14.224 -43.307,-18.288 v1@-28.448,-18.288
  other v1: -7.493,33.909
VSS: "Key VSS.2" "RES feedback.1" "RES LED VSS.1" cap7.2 cap8.2 cap9.2 cap10.2 cap11.1 cap12.1 cap13.1 cap14.1 LLB.2 LLF.2 LRB.2 LRF.2 selon.2 | length 302.1
  Top Layer w0.5: -53.632,-12.838 -50.573,-9.779 -35.687,-9.779 -32.258,-13.208 -32.258,-14.503 v1(-31.521,-15.24)
  Top Layer w1: -64.271,-13.895 -62.06,-11.684 -54.786,-11.684 -53.632,-12.838 ; selon.2@2.413,66.802 7.814,66.802 9.779,64.837 v1(9.779,62.484)
  Bottom Layer w1: cap12.1@-10.719,58.42 cap12.1@-10.708,58.409 ; -2.541,54.674 cap9.2@-2.541,58.293 ; 9.311,54.548 10.274,55.512 ; 36.322,50.292 37.213,51.183 cap10.2@37.213,56.263
  Bottom Layer w3: -64.271,-13.895 -66.149,-13.895 -71.529,-8.916 -71.628,10.626 -68.199,23.749 -66.918,25.909 -66.685,26.302 -66.262,27.016 -65.268,28.692 ; LLB.2@-60.335,36.718 -62.325,33.655 -65.268,28.692 ; cap11.1@-41.529,50.546 -41.529,49.403 -38.29,46.165 ; LLF.2@-30.8,65.159 -33.393,65.159 -36.449,62.103 -36.449,56.388 ; cap12.1@-10.708,58.409 -10.708,54.548 -10.655,54.496 -14.605,50.546 -30.371,50.546 -36.213,56.388 -36.449,56.388 ; -10.655,54.548 9.311,54.548 ; LRF.2@17.2,65.159 16.176,64.135 10.592,64.135 10.592,59.36 cap13.1@9.652,58.42 10.274,57.798 10.274,55.512 15.494,50.292 36.322,50.292 41.148,50.292 cap14.1@41.729,50.873 45.121,47.481 49.572,47.481 LRB.2@50.718,46.335 ; -65.268,28.692 -62.992,26.416 -51.054,26.416 -38.29,39.18 -38.29,46.165 ; -38.29,46.165 -36.449,48.006 -36.449,56.388
pads on no net: "KEY HCL.5" "KEY HCL.6" CMP03/BNO.6 HCL.1 HCL.6 LevelShifter.A8 LevelShifter.B8 PIXY.5 Screw1.S Screw2.S Screw3.S Screw4.S Screw5.S Screw6.S Screw7.S Screw8.S t1.0 TEENSY.13/SCK TEENSY.18/A4/SDA TEENSY.39/A20 TEENSY.AREF TEENSY.PROG TEENSY.U5V TEENSY.UD+ TEENSY.UD- TEENSY.UGND1 TEENSY.UGND2 TEENSY.VBAT TEENSY.VUSB

## Polygon pours and split planes (outlines as drawn)
GND on Top Layer "GND_L01_P000" (solid, remove dead copper, pour order 0): -80,0 ccw(c0,0) 0,-80 ccw(c0,0) 80,0 ccw(c0,0) 0,80 ccw(c0,0)
GND on Bottom Layer "GND_L02_P001" (solid, remove dead copper, pour order 1): -80,0 ccw(c0,0) 0,-80 ccw(c0,0) 80,0 ccw(c0,0) 0,80 ccw(c0,0)

## Silkscreen, mask and mechanical layers (free items; w line width, h text height)
Top Overlay:
  text "R" at -5.207,-73.299 h3
  text "oboCup2019" at -2.469,-73.299 h2.5
Mechanical 1:
  circle w0.001: c-33.479,-22.37 r1.5
  circle w0.001: c-33.479,22.37 r1.5
  circle w0.001: c33.479,-22.37 r1.5
  circle w0.001: c33.479,22.37 r1.5
  circle w0.001: c40,-25 r1.5
  circle w0.001: c-40,-25 r1.5
  circle w0.001: c-40,25 r1.5
  circle w0.001: c40,25 r1.5
  circle w0.001: c0,0 r80
  lines w0.001: -44.721,-5 cw(c0,0) -44.721,5 -37,5 cw(c0,0) -36.097,9.54 -43.231,12.495 cw(c0,0) -39.404,21.734 -37.922,21.12 -34.024,26.953 -35.158,28.087 cw(c0,0) -28.087,35.158 -22.627,29.698 cw(c0,0) -18.779,32.27 -21.734,39.404 cw(c0,0) -12.495,43.231 -9.54,36.097 cw(c0,0) -5,37 -5,44.721 cw(c0,0) 5,44.721 5,37 cw(c0,0) 9.54,36.097 12.495,43.231 cw(c0,0) 21.734,39.404 18.779,32.27 cw(c0,0) 22.627,29.698 28.087,35.158 cw(c0,0) 35.158,28.087 34.024,26.953 37.922,21.12 39.404,21.734 cw(c0,0) 43.231,12.495 36.097,9.54 cw(c0,0) 37,5 44.721,5 cw(c0,0) 44.721,-5 37,-5 cw(c0,0) 36.097,-9.54 43.231,-12.495 cw(c0,0) 39.404,-21.734 37.922,-21.12 34.024,-26.953 35.158,-28.087 cw(c0,0) 28.087,-35.158 22.627,-29.698 cw(c0,0) 18.779,-32.27 21.734,-39.404 cw(c0,0) 12.495,-43.231 9.54,-36.097 cw(c0,0) 5,-37 5,-44.721 cw(c0,0) -5,-44.721 -5,-37 cw(c0,0) -9.54,-36.097 -12.495,-43.231 cw(c0,0) -21.734,-39.404 -18.779,-32.27 cw(c0,0) -22.627,-29.698 -28.087,-35.158 cw(c0,0) -35.158,-28.087 -34.024,-26.953 -37.922,-21.12 -39.404,-21.734 cw(c0,0) -43.231,-12.495 -36.097,-9.54 cw(c0,0) -37,-5 -44.721,-5

## Text inside footprints (layer, text, board x,y; h text height)
back: Bottom Overlay "6" at -61.326,-6.08 h1.27 r110; Bottom Overlay "5" at -58.939,-5.211 h1.27 r110; Bottom Overlay "2" at -64.454,2.513 h1.27 r110; Bottom Overlay "1" at -61.893,2.904 h1.27 r110
CMP03/BNO: Top Overlay "1" at 24.003,17.653 h1.27 r90; Top Overlay "2" at 21.463,17.145 h1.27 r90; Top Overlay "5" at 24.003,26.289 h1.27 r90; Top Overlay "6" at 21.463,26.289 h1.27 r90
front: Bottom Overlay "6" at 62.674,11.92 h1.27 r110; Bottom Overlay "5" at 65.061,12.789 h1.27 r110; Bottom Overlay "2" at 59.546,20.513 h1.27 r110; Bottom Overlay "1" at 62.107,20.904 h1.27 r110
"Idc sensor1": Bottom Overlay "2" at -10.795,-59.69 h1.27 r180; Bottom Overlay "1" at -10.795,-57.15 h1.27 r180; Bottom Overlay "19" at 16.129,-57.15 h1.27 r180; Bottom Overlay "20" at 16.129,-59.69 h1.27 r180
"Idc sensor2": Bottom Overlay "6" at 32.139,-48.514 h1.27 r270; Bottom Overlay "5" at 29.599,-48.514 h1.27 r270; Bottom Overlay "2" at 32.139,-57.658 h1.27 r270; Bottom Overlay "1" at 29.599,-57.15 h1.27 r270
"Key VCC": Top Layer "Cut" at 59.413,-21.076 h3 r245
"Key VSS": Top Layer "Cut" at -60.404,-21.592 h3 r300
left: Bottom Overlay "6" at -64.106,12.442 h1.27 r70; Bottom Overlay "5" at -61.719,11.573 h1.27 r70; Bottom Overlay "2" at -60.979,21.034 h1.27 r70; Bottom Overlay "1" at -58.766,19.688 h1.27 r70
"NPN BUZZER": Mechanical 1 "C" at 28.084,-13.208 h0.7 r180
PIXY: Top Overlay "6" at 19.939,37.719 h1.27; Top Overlay "5" at 19.939,35.179 h1.27; Top Overlay "2" at 10.795,37.719 h1.27; Top Overlay "1" at 11.303,35.179 h1.27
right: Bottom Overlay "6" at 59.947,-5.41 h1.27 r70; Bottom Overlay "5" at 62.333,-6.279 h1.27 r70; Bottom Overlay "2" at 63.074,3.183 h1.27 r70; Bottom Overlay "1" at 65.287,1.837 h1.27 r70